# EAGLE board 14202-RedBoard-Panel (EAGLE 9.0.1), part 2 of 6 (continued)
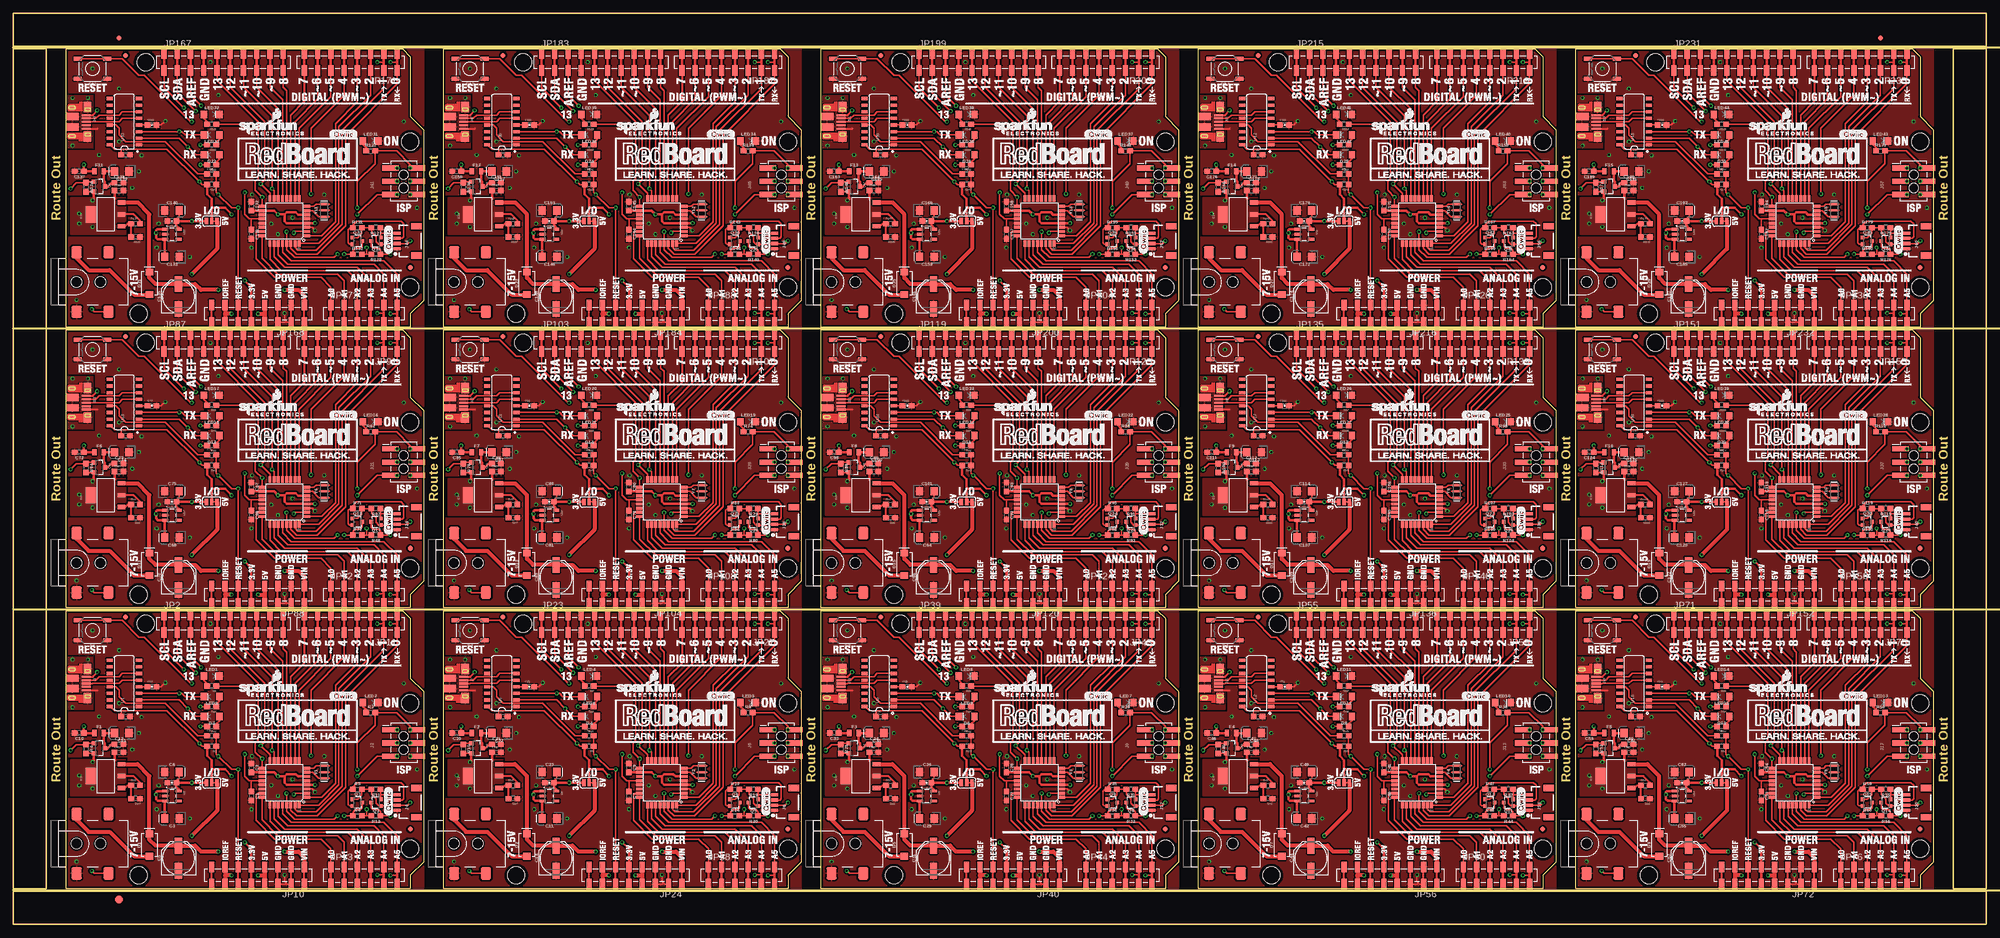
[diagram p0: board, top side]
## Nets (continued)
IO13: JP27.7A JP27.7B U2.10
IO14: JP27.8A JP27.8B U2.11
IO15: JP23.10A JP23.10B U2.12
IO16: JP23.9A JP23.9B U2.13
IO17: JP43.3A JP43.3B U7.32
IO18: JP43.4A JP43.4B U7.1
IO19: JP43.5A JP43.5B U7.2
IO20: JP43.6A JP43.6B U7.9
IO21: JP43.7A JP43.7B U7.10
IO22: JP43.8A JP43.8B U7.11
IO23: JP39.10A JP39.10B U7.12
IO24: JP39.9A JP39.9B U7.13
IO25: JP59.3A JP59.3B U10.32
IO26: JP59.4A JP59.4B U10.1
IO27: JP59.5A JP59.5B U10.2
IO28: JP59.6A JP59.6B U10.9
IO29: JP59.7A JP59.7B U10.10
IO30: JP59.8A JP59.8B U10.11
IO31: JP55.10A JP55.10B U10.12
IO32: JP55.9A JP55.9B U10.13
IO33: JP75.3A JP75.3B U13.32
IO34: JP75.4A JP75.4B U13.1
IO35: JP75.5A JP75.5B U13.2
IO36: JP75.6A JP75.6B U13.9
IO37: JP75.7A JP75.7B U13.10
IO38: JP75.8A JP75.8B U13.11
IO39: JP71.10A JP71.10B U13.12
IO40: JP71.9A JP71.9B U13.13
IO41: JP91.3A JP91.3B U16.32
IO42: JP91.4A JP91.4B U16.1
IO43: JP91.5A JP91.5B U16.2
IO44: JP91.6A JP91.6B U16.9
IO45: JP91.7A JP91.7B U16.10
IO46: JP91.8A JP91.8B U16.11
IO47: JP87.10A JP87.10B U16.12
IO48: JP87.9A JP87.9B U16.13
IO49: JP107.3A JP107.3B U19.32
IO50: JP107.4A JP107.4B U19.1
IO51: JP107.5A JP107.5B U19.2
IO52: JP107.6A JP107.6B U19.9
IO53: JP107.7A JP107.7B U19.10
IO54: JP107.8A JP107.8B U19.11
IO55: JP103.10A JP103.10B U19.12
IO56: JP103.9A JP103.9B U19.13
IO57: JP123.3A JP123.3B U22.32
IO58: JP123.4A JP123.4B U22.1
IO59: JP123.5A JP123.5B U22.2
IO60: JP123.6A JP123.6B U22.9
IO61: JP123.7A JP123.7B U22.10
IO62: JP123.8A JP123.8B U22.11
IO63: JP119.10A JP119.10B U22.12
IO64: JP119.9A JP119.9B U22.13
IO65: JP139.3A JP139.3B U25.32
IO66: JP139.4A JP139.4B U25.1
IO67: JP139.5A JP139.5B U25.2
IO68: JP139.6A JP139.6B U25.9
IO69: JP139.7A JP139.7B U25.10
IO70: JP139.8A JP139.8B U25.11
IO71: JP135.10A JP135.10B U25.12
IO72: JP135.9A JP135.9B U25.13
IO73: JP155.3A JP155.3B U28.32
IO74: JP155.4A JP155.4B U28.1
IO75: JP155.5A JP155.5B U28.2
IO76: JP155.6A JP155.6B U28.9
IO77: JP155.7A JP155.7B U28.10
IO78: JP155.8A JP155.8B U28.11
IO79: JP151.10A JP151.10B U28.12
IO80: JP151.9A JP151.9B U28.13
IO81: JP171.3A JP171.3B U31.32
IO82: JP171.4A JP171.4B U31.1
IO83: JP171.5A JP171.5B U31.2
IO84: JP171.6A JP171.6B U31.9
IO85: JP171.7A JP171.7B U31.10
IO86: JP171.8A JP171.8B U31.11
IO87: JP167.10A JP167.10B U31.12
IO88: JP167.9A JP167.9B U31.13
IO89: JP187.3A JP187.3B U34.32
IO90: JP187.4A JP187.4B U34.1
IO91: JP187.5A JP187.5B U34.2
IO92: JP187.6A JP187.6B U34.9
IO93: JP187.7A JP187.7B U34.10
IO94: JP187.8A JP187.8B U34.11
IO95: JP183.10A JP183.10B U34.12
IO96: JP183.9A JP183.9B U34.13
IO97: JP203.3A JP203.3B U37.32
IO98: JP203.4A JP203.4B U37.1
IO99: JP203.5A JP203.5B U37.2
IO100: JP203.6A JP203.6B U37.9
IO101: JP203.7A JP203.7B U37.10
IO102: JP203.8A JP203.8B U37.11
IO103: JP199.10A JP199.10B U37.12
IO104: JP199.9A JP199.9B U37.13
IO105: JP219.3A JP219.3B U40.32
IO106: JP219.4A JP219.4B U40.1
IO107: JP219.5A JP219.5B U40.2
IO108: JP219.6A JP219.6B U40.9
IO109: JP219.7A JP219.7B U40.10
IO110: JP219.8A JP219.8B U40.11
IO111: JP215.10A JP215.10B U40.12
IO112: JP215.9A JP215.9B U40.13
IO113: JP235.3A JP235.3B U43.32
IO114: JP235.4A JP235.4B U43.1
IO115: JP235.5A JP235.5B U43.2
IO116: JP235.6A JP235.6B U43.9
IO117: JP235.7A JP235.7B U43.10
IO118: JP235.8A JP235.8B U43.11
IO119: JP231.10A JP231.10B U43.12
IO120: JP231.9A JP231.9B U43.13
LV_SCL: J4.4 Q2.2 R11.1
LV_SCL1: J8.4 Q5.2 R19.1
LV_SCL2: J12.4 Q8.2 R31.1
LV_SCL3: J16.4 Q11.2 R43.1
LV_SCL4: J20.4 Q14.2 R55.1
LV_SCL5: J24.4 Q17.2 R67.1
LV_SCL6: J28.4 Q20.2 R79.1
LV_SCL7: J32.4 Q23.2 R91.1
LV_SCL8: J36.4 Q26.2 R103.1
LV_SCL9: J40.4 Q29.2 R115.1
LV_SCL10: J44.4 Q32.2 R127.1
LV_SCL11: J48.4 Q35.2 R139.1
LV_SCL12: J52.4 Q38.2 R151.1
LV_SCL13: J56.4 Q41.2 R163.1
LV_SCL14: J60.4 Q44.2 R175.1
LV_SDA: J4.3 Q3.2 R5.1
LV_SDA1: J8.3 Q6.2 R23.1
LV_SDA2: J12.3 Q9.2 R35.1
LV_SDA3: J16.3 Q12.2 R47.1
LV_SDA4: J20.3 Q15.2 R59.1
LV_SDA5: J24.3 Q18.2 R71.1
LV_SDA6: J28.3 Q21.2 R83.1
LV_SDA7: J32.3 Q24.2 R95.1
LV_SDA8: J36.3 Q27.2 R107.1
LV_SDA9: J40.3 Q30.2 R119.1
LV_SDA10: J44.3 Q33.2 R131.1
LV_SDA11: J48.3 Q36.2 R143.1
LV_SDA12: J52.3 Q39.2 R155.1
LV_SDA13: J56.3 Q42.2 R167.1
LV_SDA14: J60.3 Q45.2 R179.1
MISO: J2.1 JP2.6A JP2.6B TP4.P$1 U4.16
MISO1: J5.1 JP23.6A JP23.6B TP10.P$1 U2.16
MISO2: J9.1 JP39.6A JP39.6B TP16.P$1 U7.16
MISO3: J13.1 JP55.6A JP55.6B TP22.P$1 U10.16
MISO4: J17.1 JP71.6A JP71.6B TP28.P$1 U13.16
MISO5: J21.1 JP87.6A JP87.6B TP34.P$1 U16.16
MISO6: J25.1 JP103.6A JP103.6B TP40.P$1 U19.16
MISO7: J29.1 JP119.6A JP119.6B TP46.P$1 U22.16
MISO8: J33.1 JP135.6A JP135.6B TP52.P$1 U25.16
MISO9: J37.1 JP151.6A JP151.6B TP58.P$1 U28.16
MISO10: J41.1 JP167.6A JP167.6B TP64.P$1 U31.16
MISO11: J45.1 JP183.6A JP183.6B TP70.P$1 U34.16
MISO12: J49.1 JP199.6A JP199.6B TP76.P$1 U37.16
MISO13: J53.1 JP215.6A JP215.6B TP82.P$1 U40.16
MISO14: J57.1 JP231.6A JP231.6B TP88.P$1 U43.16
MOSI: J2.4 JP2.7A JP2.7B TP2.P$1 U4.15
MOSI1: J5.4 JP23.7A JP23.7B TP8.P$1 U2.15
MOSI2: J9.4 JP39.7A JP39.7B TP14.P$1 U7.15
MOSI3: J13.4 JP55.7A JP55.7B TP20.P$1 U10.15
MOSI4: J17.4 JP71.7A JP71.7B TP26.P$1 U13.15
MOSI5: J21.4 JP87.7A JP87.7B TP32.P$1 U16.15
MOSI6: J25.4 JP103.7A JP103.7B TP38.P$1 U19.15
MOSI7: J29.4 JP119.7A JP119.7B TP44.P$1 U22.15
MOSI8: J33.4 JP135.7A JP135.7B TP50.P$1 U25.15
MOSI9: J37.4 JP151.7A JP151.7B TP56.P$1 U28.15
MOSI10: J41.4 JP167.7A JP167.7B TP62.P$1 U31.15
MOSI11: J45.4 JP183.7A JP183.7B TP68.P$1 U34.15
MOSI12: J49.4 JP199.7A JP199.7B TP74.P$1 U37.15
MOSI13: J53.4 JP215.7A JP215.7B TP80.P$1 U40.15
MOSI14: J57.4 JP231.7A JP231.7B TP86.P$1 U43.15
N$1: LED1.A R1.2
N$2: LED2.A R2.1
N$3: U4.7 Y1.1
N$4: U4.8 Y1.3
N$5: LED5.A R16.1
N$6: C17.1 U1.4
N$7: JP12.1 Q2.3 R13.1
N$8: JP14.1 Q3.3 R6.1
N$9: D3.A R12.1
N$10: LED3.A R8.1
N$11: LED4.A R7.2
N$12: IC1.1 R17.2 R18.1
N$13: J1.D- U1.6
N$14: J1.D+ U1.5
N$15: IC3.1 R14.2 R15.1
N$16: U2.7 Y2.1
N$17: U2.8 Y2.3
N$18: LED6.A R22.1
N$19: D4.A R21.1
N$20: J7.D- U6.6
N$21: J7.D+ U6.5
N$22: C25.1 U6.4
N$23: JP30.1 Q6.3 R24.1
N$24: JP29.1 Q5.3 R20.1
N$25: LED7.A R26.1
N$26: LED8.A R25.2
N$27: IC2.1 R29.2 R30.1
N$28: U7.7 Y3.1
N$29: U7.8 Y3.3
N$30: LED9.A R34.1
N$31: D6.A R33.1
N$32: J11.D- U9.6
N$33: J11.D+ U9.5
N$34: C38.1 U9.4
N$35: JP46.1 Q9.3 R36.1
N$36: JP45.1 Q8.3 R32.1
N$37: LED10.A R38.1
N$38: LED11.A R37.2
N$39: IC4.1 R41.2 R42.1
N$40: U10.7 Y4.1
N$41: U10.8 Y4.3
N$42: LED12.A R46.1
N$43: D8.A R45.1
N$44: J15.D- U12.6
N$45: J15.D+ U12.5
N$46: C51.1 U12.4
N$47: JP62.1 Q12.3 R48.1
N$48: JP61.1 Q11.3 R44.1
N$49: LED13.A R50.1
N$50: LED14.A R49.2
N$51: IC5.1 R53.2 R54.1
N$52: U13.7 Y5.1
N$53: U13.8 Y5.3
N$54: LED15.A R58.1
N$55: D10.A R57.1
N$56: J19.D- U15.6
N$57: J19.D+ U15.5
N$58: C64.1 U15.4
N$59: JP78.1 Q15.3 R60.1
N$60: JP77.1 Q14.3 R56.1
N$61: LED16.A R62.1
N$62: LED17.A R61.2
N$63: IC6.1 R65.2 R66.1
N$64: U16.7 Y6.1
N$65: U16.8 Y6.3
N$66: LED18.A R70.1
N$67: D12.A R69.1
N$68: J23.D- U18.6
N$69: J23.D+ U18.5
N$70: C77.1 U18.4
N$71: JP94.1 Q18.3 R72.1
N$72: JP93.1 Q17.3 R68.1
N$73: LED19.A R74.1
N$74: LED20.A R73.2
N$75: IC7.1 R77.2 R78.1
N$76: U19.7 Y7.1
N$77: U19.8 Y7.3
N$78: LED21.A R82.1
N$79: D14.A R81.1
N$80: J27.D- U21.6
N$81: J27.D+ U21.5
N$82: C90.1 U21.4
N$83: JP110.1 Q21.3 R84.1
N$84: JP109.1 Q20.3 R80.1
N$85: LED22.A R86.1
N$86: LED23.A R85.2
N$87: IC8.1 R89.2 R90.1
N$88: U22.7 Y8.1
N$89: U22.8 Y8.3
N$90: LED24.A R94.1
N$91: D16.A R93.1
N$92: J31.D- U24.6
N$93: J31.D+ U24.5
N$94: C103.1 U24.4
N$95: JP126.1 Q24.3 R96.1
N$96: JP125.1 Q23.3 R92.1
N$97: LED25.A R98.1
N$98: LED26.A R97.2
N$99: IC9.1 R101.2 R102.1
N$100: U25.7 Y9.1
N$101: U25.8 Y9.3
N$102: LED27.A R106.1
N$103: D18.A R105.1
N$104: J35.D- U27.6
N$105: J35.D+ U27.5
N$106: C116.1 U27.4
N$107: JP142.1 Q27.3 R108.1
N$108: JP141.1 Q26.3 R104.1
N$109: LED28.A R110.1
N$110: LED29.A R109.2
N$111: IC10.1 R113.2 R114.1
N$112: U28.7 Y10.1
N$113: U28.8 Y10.3
N$114: LED30.A R118.1
N$115: D20.A R117.1
N$116: J39.D- U30.6
N$117: J39.D+ U30.5
N$118: C129.1 U30.4
N$119: JP158.1 Q30.3 R120.1
N$120: JP157.1 Q29.3 R116.1
N$121: LED31.A R122.1
N$122: LED32.A R121.2
N$123: IC11.1 R125.2 R126.1
N$124: U31.7 Y11.1
N$125: U31.8 Y11.3
N$126: LED33.A R130.1
N$127: D22.A R129.1
N$128: J43.D- U33.6
N$129: J43.D+ U33.5
N$130: C142.1 U33.4
N$131: JP174.1 Q33.3 R132.1
N$132: JP173.1 Q32.3 R128.1
N$133: LED34.A R134.1
N$134: LED35.A R133.2
N$135: IC12.1 R137.2 R138.1
N$136: U34.7 Y12.1
N$137: U34.8 Y12.3
N$138: LED36.A R142.1
N$139: D24.A R141.1
N$140: J47.D- U36.6
N$141: J47.D+ U36.5
N$142: C155.1 U36.4
N$143: JP190.1 Q36.3 R144.1
N$144: JP189.1 Q35.3 R140.1
N$145: LED37.A R146.1
N$146: LED38.A R145.2
N$147: IC13.1 R149.2 R150.1
N$148: U37.7 Y13.1
N$149: U37.8 Y13.3
N$150: LED39.A R154.1
N$151: D26.A R153.1
N$152: J51.D- U39.6
N$153: J51.D+ U39.5
N$154: C168.1 U39.4
N$155: JP206.1 Q39.3 R156.1
N$156: JP205.1 Q38.3 R152.1
N$157: LED40.A R158.1
N$158: LED41.A R157.2
N$159: IC14.1 R161.2 R162.1
N$160: U40.7 Y14.1
N$161: U40.8 Y14.3
N$162: LED42.A R166.1
N$163: D28.A R165.1
N$164: J55.D- U42.6
N$165: J55.D+ U42.5
N$166: C181.1 U42.4
N$167: JP222.1 Q42.3 R168.1
N$168: JP221.1 Q41.3 R164.1
N$169: LED43.A R170.1
N$170: LED44.A R169.2
N$171: IC15.1 R173.2 R174.1
N$172: U43.7 Y15.1
N$173: U43.8 Y15.3
N$174: LED45.A R178.1
N$175: D30.A R177.1
N$176: J59.D- U45.6
N$177: J59.D+ U45.5
N$178: C194.1 U45.4
N$179: JP238.1 Q45.3 R180.1
N$180: JP237.1 Q44.3 R176.1
PWRIN: D1.A J3.VIN0
PWRIN1: D2.A J6.VIN0
PWRIN2: D5.A J10.VIN0
PWRIN3: D7.A J14.VIN0
PWRIN4: D9.A J18.VIN0
PWRIN5: D11.A J22.VIN0
PWRIN6: D13.A J26.VIN0
PWRIN7: D15.A J30.VIN0
PWRIN8: D17.A J34.VIN0
PWRIN9: D19.A J38.VIN0
PWRIN10: D21.A J42.VIN0
PWRIN11: D23.A J46.VIN0
PWRIN12: D25.A J50.VIN0
PWRIN13: D27.A J54.VIN0
PWRIN14: D29.A J58.VIN0
RESET: C8.2 J2.5 JP10.6 R3.1 S1.3 S1.4 TP6.P$1 U4.29
RESET1: C19.2 J5.5 JP24.6 R9.1 S2.3 S2.4 TP12.P$1 U2.29
RESET2: C32.2 J9.5 JP40.6 R27.1 S3.3 S3.4 TP18.P$1 U7.29
RESET3: C45.2 J13.5 JP56.6 R39.1 S4.3 S4.4 TP24.P$1 U10.29
RESET4: C58.2 J17.5 JP72.6 R51.1 S5.3 S5.4 TP30.P$1 U13.29
RESET5: C71.2 J21.5 JP88.6 R63.1 S6.3 S6.4 TP36.P$1 U16.29
RESET6: C84.2 J25.5 JP104.6 R75.1 S7.3 S7.4 TP42.P$1 U19.29
RESET7: C97.2 J29.5 JP120.6 R87.1 S8.3 S8.4 TP48.P$1 U22.29
RESET8: C110.2 J33.5 JP136.6 R99.1 S9.3 S9.4 TP54.P$1 U25.29
RESET9: C123.2 J37.5 JP152.6 R111.1 S10.3 S10.4 TP60.P$1 U28.29
RESET10: C136.2 J41.5 JP168.6 R123.1 S11.3 S11.4 TP66.P$1 U31.29
RESET11: C149.2 J45.5 JP184.6 R135.1 S12.3 S12.4 TP72.P$1 U34.29
RESET12: C162.2 J49.5 JP200.6 R147.1 S13.3 S13.4 TP78.P$1 U37.29
RESET13: C175.2 J53.5 JP216.6 R159.1 S14.3 S14.4 TP84.P$1 U40.29
RESET14: C188.2 J57.5 JP232.6 R171.1 S15.3 S15.4 TP90.P$1 U43.29
RX-I: D3.C JP11.1A JP11.1B U1.2 U4.30
RX-I1: D4.C JP27.1A JP27.1B U2.30 U6.2
RX-I2: D6.C JP43.1A JP43.1B U7.30 U9.2
RX-I3: D8.C JP59.1A JP59.1B U10.30 U12.2
RX-I4: D10.C JP75.1A JP75.1B U13.30 U15.2
RX-I5: D12.C JP91.1A JP91.1B U16.30 U18.2
RX-I6: D14.C JP107.1A JP107.1B U19.30 U21.2
RX-I7: D16.C JP123.1A JP123.1B U22.30 U24.2
RX-I8: D18.C JP139.1A JP139.1B U25.30 U27.2
RX-I9: D20.C JP155.1A JP155.1B U28.30 U30.2
RX-I10: D22.C JP171.1A JP171.1B U31.30 U33.2
RX-I11: D24.C JP187.1A JP187.1B U34.30 U36.2
RX-I12: D26.C JP203.1A JP203.1B U37.30 U39.2
RX-I13: D28.C JP219.1A JP219.1B U40.30 U42.2
RX-I14: D30.C JP235.1A JP235.1B U43.30 U45.2
SCK: J2.3 JP2.5A JP2.5B R1.1 TP5.P$1 U4.17
SCK1: J5.3 JP23.5A JP23.5B R7.1 TP11.P$1 U2.17
SCK2: J9.3 JP39.5A JP39.5B R25.1 TP17.P$1 U7.17
SCK3: J13.3 JP55.5A JP55.5B R37.1 TP23.P$1 U10.17
SCK4: J17.3 JP71.5A JP71.5B R49.1 TP29.P$1 U13.17
SCK5: J21.3 JP87.5A JP87.5B R61.1 TP35.P$1 U16.17
SCK6: J25.3 JP103.5A JP103.5B R73.1 TP41.P$1 U19.17
SCK7: J29.3 JP119.5A JP119.5B R85.1 TP47.P$1 U22.17
SCK8: J33.3 JP135.5A JP135.5B R97.1 TP53.P$1 U25.17
SCK9: J37.3 JP151.5A JP151.5B R109.1 TP59.P$1 U28.17
SCK10: J41.3 JP167.5A JP167.5B R121.1 TP65.P$1 U31.17
SCK11: J45.3 JP183.5A JP183.5B R133.1 TP71.P$1 U34.17
SCK12: J49.3 JP199.5A JP199.5B R145.1 TP77.P$1 U37.17
SCK13: J53.3 JP215.5A JP215.5B R157.1 TP83.P$1 U40.17
SCK14: J57.3 JP231.5A JP231.5B R169.1 TP89.P$1 U43.17
SHLD: J1.SHIELD J1.SHIELD2 J1.SHIELD3 J1.SHIELD4 J1.SHIELD5 J1.SHIELD6 J1.SHIELD7 J1.SHIELD8 J1.SHIELD9 J1.SHIELD10
SHLD1: J7.SHIELD J7.SHIELD2 J7.SHIELD3 J7.SHIELD4 J7.SHIELD5 J7.SHIELD6 J7.SHIELD7 J7.SHIELD8 J7.SHIELD9 J7.SHIELD10
SHLD2: J11.SHIELD J11.SHIELD2 J11.SHIELD3 J11.SHIELD4 J11.SHIELD5 J11.SHIELD6 J11.SHIELD7 J11.SHIELD8 J11.SHIELD9 J11.SHIELD10
SHLD3: J15.SHIELD J15.SHIELD2 J15.SHIELD3 J15.SHIELD4 J15.SHIELD5 J15.SHIELD6 J15.SHIELD7 J15.SHIELD8 J15.SHIELD9 J15.SHIELD10
SHLD4: J19.SHIELD J19.SHIELD2 J19.SHIELD3 J19.SHIELD4 J19.SHIELD5 J19.SHIELD6 J19.SHIELD7 J19.SHIELD8 J19.SHIELD9 J19.SHIELD10
SHLD5: J23.SHIELD J23.SHIELD2 J23.SHIELD3 J23.SHIELD4 J23.SHIELD5 J23.SHIELD6 J23.SHIELD7 J23.SHIELD8 J23.SHIELD9 J23.SHIELD10
SHLD6: J27.SHIELD J27.SHIELD2 J27.SHIELD3 J27.SHIELD4 J27.SHIELD5 J27.SHIELD6 J27.SHIELD7 J27.SHIELD8 J27.SHIELD9 J27.SHIELD10
SHLD7: J31.SHIELD J31.SHIELD2 J31.SHIELD3 J31.SHIELD4 J31.SHIELD5 J31.SHIELD6 J31.SHIELD7 J31.SHIELD8 J31.SHIELD9 J31.SHIELD10
SHLD8: J35.SHIELD J35.SHIELD2 J35.SHIELD3 J35.SHIELD4 J35.SHIELD5 J35.SHIELD6 J35.SHIELD7 J35.SHIELD8 J35.SHIELD9 J35.SHIELD10
SHLD9: J39.SHIELD J39.SHIELD2 J39.SHIELD3 J39.SHIELD4 J39.SHIELD5 J39.SHIELD6 J39.SHIELD7 J39.SHIELD8 J39.SHIELD9 J39.SHIELD10
SHLD10: J43.SHIELD J43.SHIELD2 J43.SHIELD3 J43.SHIELD4 J43.SHIELD5 J43.SHIELD6 J43.SHIELD7 J43.SHIELD8 J43.SHIELD9 J43.SHIELD10
SHLD11: J47.SHIELD J47.SHIELD2 J47.SHIELD3 J47.SHIELD4 J47.SHIELD5 J47.SHIELD6 J47.SHIELD7 J47.SHIELD8 J47.SHIELD9 J47.SHIELD10
SHLD12: J51.SHIELD J51.SHIELD2 J51.SHIELD3 J51.SHIELD4 J51.SHIELD5 J51.SHIELD6 J51.SHIELD7 J51.SHIELD8 J51.SHIELD9 J51.SHIELD10
SHLD13: J55.SHIELD J55.SHIELD2 J55.SHIELD3 J55.SHIELD4 J55.SHIELD5 J55.SHIELD6 J55.SHIELD7 J55.SHIELD8 J55.SHIELD9 J55.SHIELD10
SHLD14: J59.SHIELD J59.SHIELD2 J59.SHIELD3 J59.SHIELD4 J59.SHIELD5 J59.SHIELD6 J59.SHIELD7 J59.SHIELD8 J59.SHIELD9 J59.SHIELD10
SS: JP2.8A JP2.8B U4.14
SS1: JP23.8A JP23.8B U2.14
SS2: JP39.8A JP39.8B U7.14
SS3: JP55.8A JP55.8B U10.14
SS4: JP71.8A JP71.8B U13.14
SS5: JP87.8A JP87.8B U16.14
SS6: JP103.8A JP103.8B U19.14
SS7: JP119.8A JP119.8B U22.14
SS8: JP135.8A JP135.8B U25.14
SS9: JP151.8A JP151.8B U28.14
SS10: JP167.8A JP167.8B U31.14
SS11: JP183.8A JP183.8B U34.14
SS12: JP199.8A JP199.8B U37.14
SS13: JP215.8A JP215.8B U40.14
SS14: JP231.8A JP231.8B U43.14
TX-O: JP11.2A JP11.2B LED5.C U1.3 U4.31
TX-O1: JP27.2A JP27.2B LED6.C U2.31 U6.3
TX-O2: JP43.2A JP43.2B LED9.C U7.31 U9.3
TX-O3: JP59.2A JP59.2B LED12.C U10.31 U12.3
TX-O4: JP75.2A JP75.2B LED15.C U13.31 U15.3
TX-O5: JP91.2A JP91.2B LED18.C U16.31 U18.3
TX-O6: JP107.2A JP107.2B LED21.C U19.31 U21.3
TX-O7: JP123.2A JP123.2B LED24.C U22.31 U24.3
TX-O8: JP139.2A JP139.2B LED27.C U25.31 U27.3
TX-O9: JP155.2A JP155.2B LED30.C U28.31 U30.3
TX-O10: JP171.2A JP171.2B LED33.C U31.31 U33.3
TX-O11: JP187.2A JP187.2B LED36.C U34.31 U36.3
TX-O12: JP203.2A JP203.2B LED39.C U37.31 U39.3
TX-O13: JP219.2A JP219.2B LED42.C U40.31 U42.3
TX-O14: JP235.2A JP235.2B LED45.C U43.31 U45.3
USBVCC: C12.1 C15.+ F1.2 Q1.3
USBVCC1: C21.1 C22.+ F2.2 Q4.3
USBVCC2: C34.1 C35.+ F3.2 Q7.3
USBVCC3: C47.1 C48.+ F4.2 Q10.3
USBVCC4: C60.1 C61.+ F5.2 Q13.3
USBVCC5: C73.1 C74.+ F6.2 Q16.3
USBVCC6: C86.1 C87.+ F7.2 Q19.3
USBVCC7: C99.1 C100.+ F8.2 Q22.3
USBVCC8: C112.1 C113.+ F9.2 Q25.3
USBVCC9: C125.1 C126.+ F10.2 Q28.3
USBVCC10: C138.1 C139.+ F11.2 Q31.3
USBVCC11: C151.1 C152.+ F12.2 Q34.3
USBVCC12: C164.1 C165.+ F13.2 Q37.3
USBVCC13: C177.1 C178.+ F14.2 Q40.3
USBVCC14: C190.1 C191.+ F15.2 Q43.3
VCC: C2.2 C18.1 I/O.2 J2.2 R2.2 R3.2 R6.2 R12.2 R13.2 R16.2 TP1.P$1 U1.16 U4.4 U4.6 U4.18
VCC1: C9.2 C26.1 I/O1.2 J5.2 R8.2 R9.2 R20.2 R21.2 R22.2 R24.2 TP7.P$1 U2.4 U2.6 U2.18 U6.16
VCC2: C28.2 C39.1 I/O2.2 J9.2 R26.2 R27.2 R32.2 R33.2 R34.2 R36.2 TP13.P$1 U7.4 U7.6 U7.18 U9.16
VCC3: C41.2 C52.1 I/O3.2 J13.2 R38.2 R39.2 R44.2 R45.2 R46.2 R48.2 TP19.P$1 U10.4 U10.6 U10.18 U12.16
VCC4: C54.2 C65.1 I/O4.2 J17.2 R50.2 R51.2 R56.2 R57.2 R58.2 R60.2 TP25.P$1 U13.4 U13.6 U13.18 U15.16
VCC5: C67.2 C78.1 I/O5.2 J21.2 R62.2 R63.2 R68.2 R69.2 R70.2 R72.2 TP31.P$1 U16.4 U16.6 U16.18 U18.16
VCC6: C80.2 C91.1 I/O6.2 J25.2 R74.2 R75.2 R80.2 R81.2 R82.2 R84.2 TP37.P$1 U19.4 U19.6 U19.18 U21.16
VCC7: C93.2 C104.1 I/O7.2 J29.2 R86.2 R87.2 R92.2 R93.2 R94.2 R96.2 TP43.P$1 U22.4 U22.6 U22.18 U24.16
VCC8: C106.2 C117.1 I/O8.2 J33.2 R98.2 R99.2 R104.2 R105.2 R106.2 R108.2 TP49.P$1 U25.4 U25.6 U25.18 U27.16
VCC9: C119.2 C130.1 I/O9.2 J37.2 R110.2 R111.2 R116.2 R117.2 R118.2 R120.2 TP55.P$1 U28.4 U28.6 U28.18 U30.16
VCC10: C132.2 C143.1 I/O10.2 J41.2 R122.2 R123.2 R128.2 R129.2 R130.2 R132.2 TP61.P$1 U31.4 U31.6 U31.18 U33.16
VCC11: C145.2 C156.1 I/O11.2 J45.2 R134.2 R135.2 R140.2 R141.2 R142.2 R144.2 TP67.P$1 U34.4 U34.6 U34.18 U36.16
VCC12: C158.2 C169.1 I/O12.2 J49.2 R146.2 R147.2 R152.2 R153.2 R154.2 R156.2 TP73.P$1 U37.4 U37.6 U37.18 U39.16
VCC13: C171.2 C182.1 I/O13.2 J53.2 R158.2 R159.2 R164.2 R165.2 R166.2 R168.2 TP79.P$1 U40.4 U40.6 U40.18 U42.16
VCC14: C184.2 C195.1 I/O14.2 J57.2 R170.2 R171.2 R176.2 R177.2 R178.2 R180.2 TP85.P$1 U43.4 U43.6 U43.18 U45.16
VIN: C5.+ D1.C IC3.3 JP10.1
VIN1: C14.+ D2.C IC1.3 JP24.1
VIN2: C31.+ D5.C IC2.3 JP40.1
VIN3: C44.+ D7.C IC4.3 JP56.1
VIN4: C57.+ D9.C IC5.3 JP72.1
VIN5: C70.+ D11.C IC6.3 JP88.1
VIN6: C83.+ D13.C IC7.3 JP104.1
VIN7: C96.+ D15.C IC8.3 JP120.1
VIN8: C109.+ D17.C IC9.3 JP136.1
VIN9: C122.+ D19.C IC10.3 JP152.1
VIN10: C135.+ D21.C IC11.3 JP168.1
VIN11: C148.+ D23.C IC12.3 JP184.1
VIN12: C161.+ D25.C IC13.3 JP200.1
VIN13: C174.+ D27.C IC14.3 JP216.1
VIN14: C187.+ D29.C IC15.3 JP232.1
VUSB: C10.1 F1.1 J1.VBUS
VUSB1: C20.1 F2.1 J7.VBUS
VUSB2: C33.1 F3.1 J11.VBUS
VUSB3: C46.1 F4.1 J15.VBUS
VUSB4: C59.1 F5.1 J19.VBUS
VUSB5: C72.1 F6.1 J23.VBUS
VUSB6: C85.1 F7.1 J27.VBUS
VUSB7: C98.1 F8.1 J31.VBUS
VUSB8: C111.1 F9.1 J35.VBUS
VUSB9: C124.1 F10.1 J39.VBUS
VUSB10: C137.1 F11.1 J43.VBUS
VUSB11: C150.1 F12.1 J47.VBUS
VUSB12: C163.1 F13.1 J51.VBUS
VUSB13: C176.1 F14.1 J55.VBUS
VUSB14: C189.1 F15.1 J59.VBUS

## Tracks (layer width: path | path; a pad name or v marks a point on that pad's centre or on a via)
3.3V  (via drill 0.38)
  Top 0.254: 45.72,11.05 JP10.5
  Top 0.305: C6.+ 31.88,28.07 31.33,27.52 C16.1 | Q3.1 66.06,24.02 66.89,24.85 R5.2 R11.2 68.75,24.98 69.6,24.13 69.6,23.24 70.12,22.72 Q2.1 71.99,22.72 72.14,22.87 J4.2 75.7,22.87 v76.2,23.37
  Top 0.508: JP10.5 45.72,14.48 v44.45,15.75 | I/O.1 v34.29,27.18 C16.1 31.33,26.33 31.75,25.91 31.75,25.62 U3.5
  Bottom 0.305: v44.45,15.75 45.34,14.86 61.34,14.86 68.58,7.62 73.15,7.62 73.66,8.13 73.66,20.83 v76.2,23.37
  Bottom 0.508: v34.29,27.18 34.29,25.91 v44.45,15.75
3.3V1  (via drill 0.38)
  Top 0.254: 118.11,11.05 JP24.5
  Top 0.305: C23.+ 104.27,28.07 103.72,27.52 C24.1 | Q6.1 138.44,24.02 139.28,24.85 R23.2 R19.2 141.14,24.98 141.99,24.13 141.99,23.24 142.51,22.72 Q5.1 144.38,22.72 144.53,22.87 J8.2 148.09,22.87 v148.59,23.37
  Top 0.508: JP24.5 118.11,14.48 v116.84,15.75 | I/O1.1 v106.68,27.18 C24.1 103.72,26.33 104.14,25.91 104.14,25.62 U5.5
  Bottom 0.305: v116.84,15.75 117.73,14.86 133.73,14.86 140.97,7.62 145.54,7.62 146.05,8.13 146.05,20.83 v148.59,23.37
  Bottom 0.508: v106.68,27.18 106.68,25.91 v116.84,15.75
3.3V2  (via drill 0.38)
  Top 0.254: 190.5,11.05 JP40.5
  Top 0.305: C36.+ 176.66,28.07 176.11,27.52 C37.1 | Q9.1 210.84,24.02 211.67,24.85 R35.2 R31.2 213.53,24.98 214.38,24.13 214.38,23.24 214.9,22.72 Q8.1 216.77,22.72 216.92,22.87 J12.2 220.48,22.87 v220.98,23.37
  Top 0.508: JP40.5 190.5,14.48 v189.23,15.75 | I/O2.1 v179.07,27.18 C37.1 176.11,26.33 176.53,25.91 176.53,25.62 U8.5
  Bottom 0.305: v189.23,15.75 190.12,14.86 206.12,14.86 213.36,7.62 217.93,7.62 218.44,8.13 218.44,20.83 v220.98,23.37
  Bottom 0.508: v179.07,27.18 179.07,25.91 v189.23,15.75
3.3V3  (via drill 0.38)
  Top 0.254: 262.89,11.05 JP56.5
  Top 0.305: C49.+ 249.05,28.07 248.5,27.52 C50.1 | Q12.1 283.23,24.02 284.06,24.85 R47.2 R43.2 285.92,24.98 286.77,24.13 286.77,23.24 287.29,22.72 Q11.1 289.16,22.72 289.31,22.87 J16.2 292.87,22.87 v293.37,23.37
  Top 0.508: JP56.5 262.89,14.48 v261.62,15.75 | I/O3.1 v251.46,27.18 C50.1 248.5,26.33 248.92,25.91 248.92,25.62 U11.5
  Bottom 0.305: v261.62,15.75 262.51,14.86 278.51,14.86 285.75,7.62 290.32,7.62 290.83,8.13 290.83,20.83 v293.37,23.37
  Bottom 0.508: v251.46,27.18 251.46,25.91 v261.62,15.75
3.3V4  (via drill 0.38)
  Top 0.254: 335.28,11.05 JP72.5
  Top 0.305: C62.+ 321.44,28.07 320.89,27.52 C63.1 | Q15.1 355.62,24.02 356.45,24.85 R59.2 R55.2 358.31,24.98 359.16,24.13 359.16,23.24 359.68,22.72 Q14.1 361.55,22.72 361.7,22.87 J20.2 365.26,22.87 v365.76,23.37
  Top 0.508: JP72.5 335.28,14.48 v334.01,15.75 | I/O4.1 v323.85,27.18 C63.1 320.89,26.33 321.31,25.91 321.31,25.62 U14.5
  Bottom 0.305: v334.01,15.75 334.9,14.86 350.9,14.86 358.14,7.62 362.71,7.62 363.22,8.13 363.22,20.83 v365.76,23.37
  Bottom 0.508: v323.85,27.18 323.85,25.91 v334.01,15.75
3.3V5  (via drill 0.38)
  Top 0.254: 45.72,64.9 JP88.5
  Top 0.305: C75.+ 31.88,81.92 31.33,81.37 C76.1 | Q18.1 66.06,77.87 66.89,78.7 R71.2 R67.2 68.75,78.83 69.6,77.98 69.6,77.09 70.12,76.57 Q17.1 71.99,76.57 72.14,76.72 J24.2 75.7,76.72 v76.2,77.22
  Top 0.508: JP88.5 45.72,68.33 v44.45,69.6 | I/O5.1 v34.29,81.03 C76.1 31.33,80.18 31.75,79.76 31.75,79.47 U17.5
  Bottom 0.305: v44.45,69.6 45.34,68.71 61.34,68.71 68.58,61.47 73.15,61.47 73.66,61.98 73.66,74.68 v76.2,77.22
  Bottom 0.508: v34.29,81.03 34.29,79.76 v44.45,69.6
3.3V6  (via drill 0.38)
  Top 0.254: 118.11,64.9 JP104.5
  Top 0.305: C88.+ 104.27,81.92 103.72,81.37 C89.1 | Q21.1 138.44,77.87 139.28,78.7 R83.2 R79.2 141.14,78.83 141.99,77.98 141.99,77.09 142.51,76.57 Q20.1 144.38,76.57 144.53,76.72 J28.2 148.09,76.72 v148.59,77.22
  Top 0.508: JP104.5 118.11,68.33 v116.84,69.6 | I/O6.1 v106.68,81.03 C89.1 103.72,80.18 104.14,79.76 104.14,79.47 U20.5
  Bottom 0.305: v116.84,69.6 117.73,68.71 133.73,68.71 140.97,61.47 145.54,61.47 146.05,61.98 146.05,74.68 v148.59,77.22
  Bottom 0.508: v106.68,81.03 106.68,79.76 v116.84,69.6
3.3V7  (via drill 0.38)
  Top 0.254: 190.5,64.9 JP120.5
  Top 0.305: C101.+ 176.66,81.92 176.11,81.37 C102.1 | Q24.1 210.84,77.87 211.67,78.7 R95.2 R91.2 213.53,78.83 214.38,77.98 214.38,77.09 214.9,76.57 Q23.1 216.77,76.57 216.92,76.72 J32.2 220.48,76.72 v220.98,77.22
  Top 0.508: JP120.5 190.5,68.33 v189.23,69.6 | I/O7.1 v179.07,81.03 C102.1 176.11,80.18 176.53,79.76 176.53,79.47 U23.5
  Bottom 0.305: v189.23,69.6 190.12,68.71 206.12,68.71 213.36,61.47 217.93,61.47 218.44,61.98 218.44,74.68 v220.98,77.22
  Bottom 0.508: v179.07,81.03 179.07,79.76 v189.23,69.6
3.3V8  (via drill 0.38)
  Top 0.254: 262.89,64.9 JP136.5
  Top 0.305: C114.+ 249.05,81.92 248.5,81.37 C115.1 | Q27.1 283.23,77.87 284.06,78.7 R107.2 R103.2 285.92,78.83 286.77,77.98 286.77,77.09 287.29,76.57 Q26.1 289.16,76.57 289.31,76.72 J36.2 292.87,76.72 v293.37,77.22
  Top 0.508: JP136.5 262.89,68.33 v261.62,69.6 | I/O8.1 v251.46,81.03 C115.1 248.5,80.18 248.92,79.76 248.92,79.47 U26.5
  Bottom 0.305: v261.62,69.6 262.51,68.71 278.51,68.71 285.75,61.47 290.32,61.47 290.83,61.98 290.83,74.68 v293.37,77.22
  Bottom 0.508: v251.46,81.03 251.46,79.76 v261.62,69.6
3.3V9  (via drill 0.38)
  Top 0.254: 335.28,64.9 JP152.5
  Top 0.305: C127.+ 321.44,81.92 320.89,81.37 C128.1 | Q30.1 355.62,77.87 356.45,78.7 R119.2 R115.2 358.31,78.83 359.16,77.98 359.16,77.09 359.68,76.57 Q29.1 361.55,76.57 361.7,76.72 J40.2 365.26,76.72 v365.76,77.22
  Top 0.508: JP152.5 335.28,68.33 v334.01,69.6 | I/O9.1 v323.85,81.03 C128.1 320.89,80.18 321.31,79.76 321.31,79.47 U29.5
  Bottom 0.305: v334.01,69.6 334.9,68.71 350.9,68.71 358.14,61.47 362.71,61.47 363.22,61.98 363.22,74.68 v365.76,77.22
  Bottom 0.508: v323.85,81.03 323.85,79.76 v334.01,69.6
3.3V10  (via drill 0.38)
  Top 0.254: 45.72,118.74 JP168.5
  Top 0.305: C140.+ 31.88,135.77 31.33,135.22 C141.1 | Q33.1 66.06,131.71 66.89,132.55 R131.2 R127.2 68.75,132.68 69.6,131.83 69.6,130.94 70.12,130.41 Q32.1 71.99,130.41 72.14,130.56 J44.2 75.7,130.56 v76.2,131.06
  Top 0.508: JP168.5 45.72,122.17 v44.45,123.44 | I/O10.1 v34.29,134.87 C141.1 31.33,134.02 31.75,133.6 31.75,133.31 U32.5
  Bottom 0.305: v44.45,123.44 45.34,122.56 61.34,122.56 68.58,115.32 73.15,115.32 73.66,115.82 73.66,128.52 v76.2,131.06
  Bottom 0.508: v34.29,134.87 34.29,133.6 v44.45,123.44
3.3V11  (via drill 0.38)
  Top 0.254: 118.11,118.74 JP184.5
  Top 0.305: C153.+ 104.27,135.77 103.72,135.22 C154.1 | Q36.1 138.44,131.71 139.28,132.55 R143.2 R139.2 141.14,132.68 141.99,131.83 141.99,130.94 142.51,130.41 Q35.1 144.38,130.41 144.53,130.56 J48.2 148.09,130.56 v148.59,131.06
  Top 0.508: JP184.5 118.11,122.17 v116.84,123.44 | I/O11.1 v106.68,134.87 C154.1 103.72,134.02 104.14,133.6 104.14,133.31 U35.5
  Bottom 0.305: v116.84,123.44 117.73,122.56 133.73,122.56 140.97,115.32 145.54,115.32 146.05,115.82 146.05,128.52 v148.59,131.06
  Bottom 0.508: v106.68,134.87 106.68,133.6 v116.84,123.44
3.3V12  (via drill 0.38)
  Top 0.254: 190.5,118.74 JP200.5